# KiCad board RP2040_Akko_M1_Like.kicad_pcb
title: Echo Basic Akko Layout; date: 2025-03-22; rev: 1.0; company: Michael O'Toole; note: Added 10 x 10uF Caps
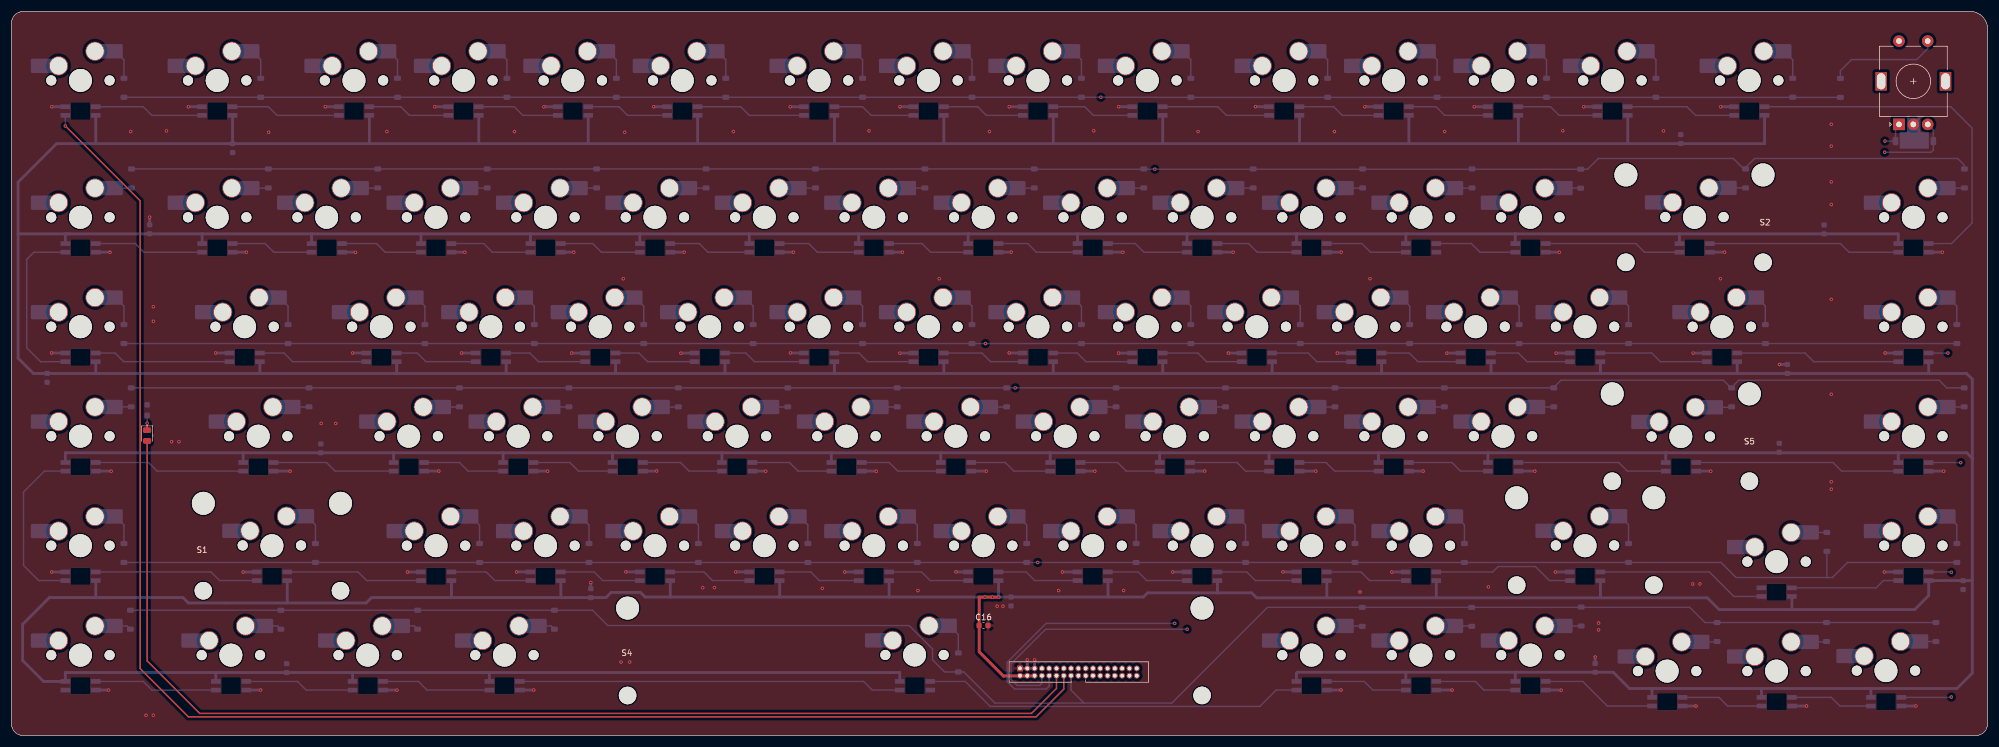
[diagram p0: board, top side]
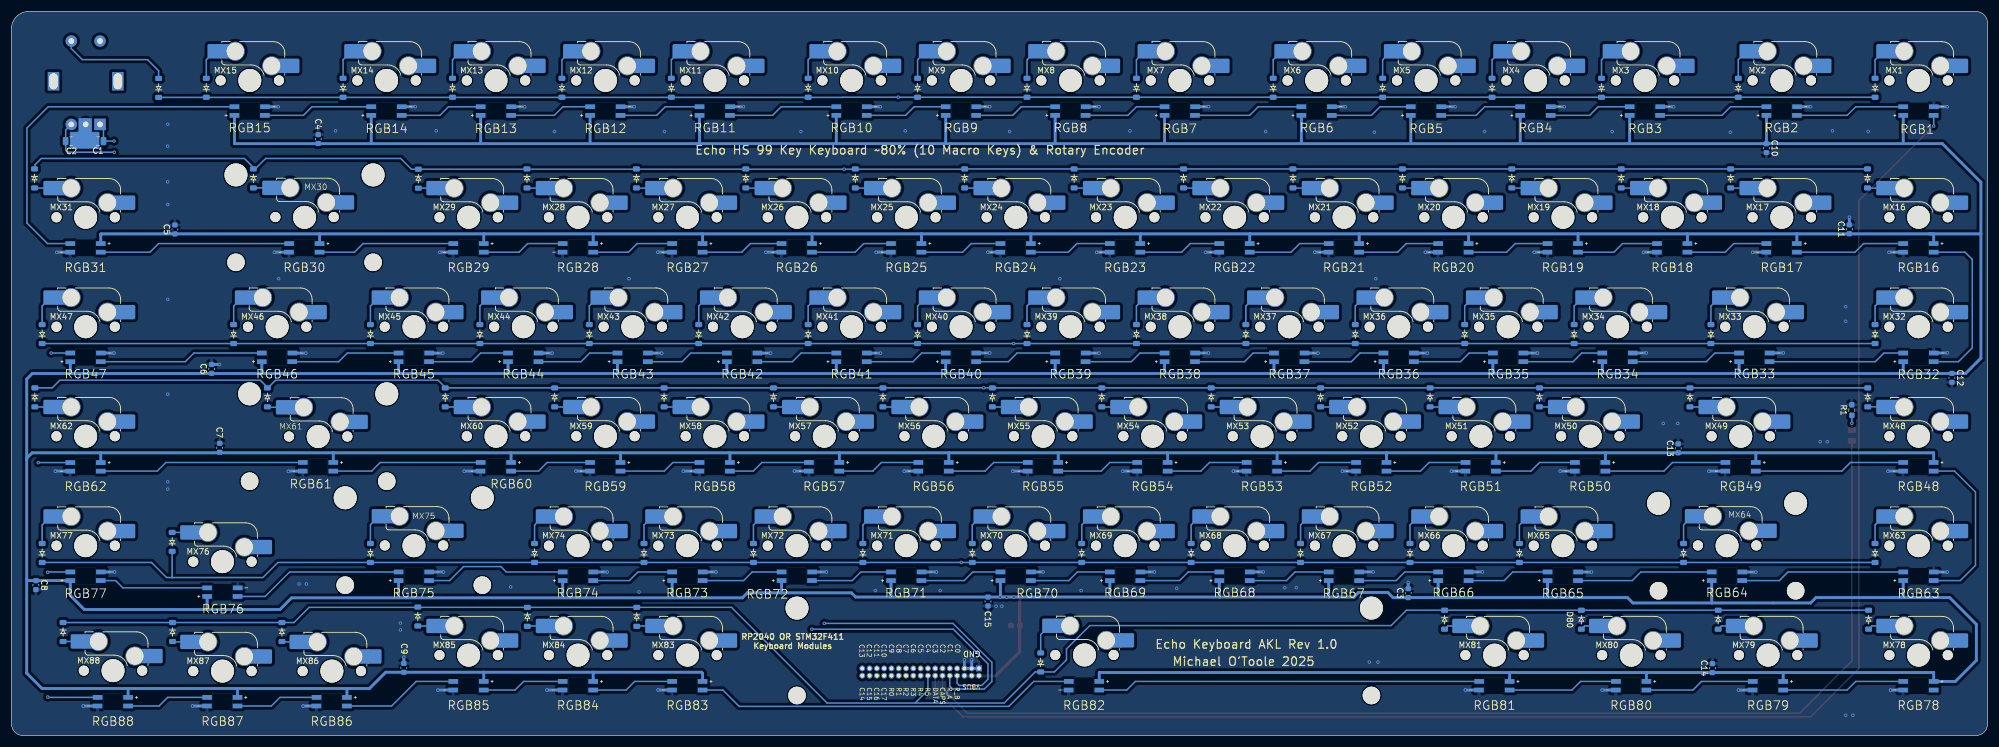
[diagram p1: board, bottom side, seen from below]

Outline 344 x 126 mm; copper layers: Top, In1.Cu, In2.Cu, Bottom. Coordinates in mm from the lower left corner of the outline.
Outline path: 0,124 0,2 arc(0.59,0.59) 2,0 342,0 arc(343.41,0.59) 344,2 344,123 arc(343.12,125.12) 341,126 2,126 arc(0.59,125.41) 0,124
Stack: Top 0.035mm / dielectric 0.1mm FR4 er 4.5 / In1.Cu 0.035mm / dielectric 1.24mm FR4 er 4.5 / In2.Cu 0.035mm / dielectric 0.1mm FR4 er 4.5 / Bottom 0.035mm

## Placement (name value [footprint] x y rotation side)
C1  10n  [C_0805_2012Metric]  328.94 103.44 0 bottom
C2  10n  [C_0805_2012Metric]  333.62 103.44 180 bottom
C3  10u  [C_0603_1608Metric]  100.85 24.78 90 bottom
C4  10u  [C_0603_1608Metric]  290.6 103.8 90 bottom
C5  10u  [C_0603_1608Metric]  315.55 88.08 90 bottom
C6  10u  [C_0603_1608Metric]  309.15 63.8 90 bottom
C7  10u  [C_0603_1608Metric]  307.75 50.08 90 bottom
C8  10u  [C_0603_1608Metric]  339.75 26.18 270 bottom
C9  10u  [C_0603_1608Metric]  275.7 11.78 90 bottom
C10  10u  [C_0603_1608Metric]  38.5 102.23 270 bottom
C11  10u  [C_0603_1608Metric]  24.05 88.1 90 bottom
C12  10u  [C_0603_1608Metric]  6.2 62.25 270 bottom
C13  10u  [C_0603_1608Metric]  53.85 49.98 90 bottom
C14  10u  [C_0603_1608Metric]  47.9 11.73 90 bottom
C15  10u  [C_0603_1608Metric]  174 23.33 270 bottom
C16  100n  [C_0603_1608Metric]  169.23 19.15 0 top
D1  4148  [Diode_SOD-123]  19.58 112.73 90 bottom
D2  4148  [Diode_SOD-123]  43.39 112.73 90 bottom
D3  4148  [Diode_SOD-123]  67.2 112.73 90 bottom
D4  4148  [Diode_SOD-123]  86.25 112.73 90 bottom
D5  4148  [Diode_SOD-123]  105.3 112.73 90 bottom
D6  4148  [Diode_SOD-123]  124.35 112.73 90 bottom
D7  4148  [Diode_SOD-123]  148.16 112.73 90 bottom
D8  4148  [Diode_SOD-123]  167.21 112.73 90 bottom
D9  4148  [Diode_SOD-123]  186.26 112.73 90 bottom
D10  4148  [Diode_SOD-123]  205.31 112.73 90 bottom
D11  4148  [Diode_SOD-123]  229.13 112.73 90 bottom
D12  4148  [Diode_SOD-123]  248.18 112.73 90 bottom
D13  4148  [Diode_SOD-123]  267.23 112.73 90 bottom
D14  4148  [Diode_SOD-123]  286.28 112.73 90 bottom
D15  4148  [Diode_SOD-123]  310.09 112.73 90 bottom
D16  4148  [Diode_SOD-123]  20.9 96.95 270 bottom
D17  4148  [Diode_SOD-123]  44.71 96.95 270 bottom
D18  4148  [Diode_SOD-123]  63.76 96.95 270 bottom
D19  4148  [Diode_SOD-123]  82.81 96.95 270 bottom
D20  4148  [Diode_SOD-123]  101.86 96.95 270 bottom
D21  4148  [Diode_SOD-123]  120.91 96.95 270 bottom
D22  4148  [Diode_SOD-123]  139.96 96.95 270 bottom
D23  4148  [Diode_SOD-123]  159.01 96.95 270 bottom
D24  4148  [Diode_SOD-123]  178.06 96.95 270 bottom
D25  4148  [Diode_SOD-123]  197.11 96.95 270 bottom
D26  4148  [Diode_SOD-123]  216.16 96.95 270 bottom
D27  4148  [Diode_SOD-123]  235.21 96.95 270 bottom
D28  4148  [Diode_SOD-123]  254.26 96.95 270 bottom
D29  4148  [Diode_SOD-123]  273.17 96.9 270 bottom
D30  4148  [Diode_SOD-123]  301.89 96.95 270 bottom
D31  4148  [Diode_SOD-123]  339.99 96.95 270 bottom
D32  4148  [Diode_SOD-123]  19.58 69.86 90 bottom
D33  4148  [Diode_SOD-123]  48.15 69.86 90 bottom
D34  4148  [Diode_SOD-123]  71.96 69.86 90 bottom
D35  4148  [Diode_SOD-123]  91.01 69.86 90 bottom
D36  4148  [Diode_SOD-123]  110.06 69.86 90 bottom
D37  4148  [Diode_SOD-123]  129.11 69.86 90 bottom
D38  4148  [Diode_SOD-123]  148.16 69.86 90 bottom
D39  4148  [Diode_SOD-123]  167.21 69.86 90 bottom
D40  4148  [Diode_SOD-123]  186.26 69.86 90 bottom
D41  4148  [Diode_SOD-123]  205.31 69.86 90 bottom
D42  4148  [Diode_SOD-123]  224.36 69.86 90 bottom
D43  4148  [Diode_SOD-123]  243.41 69.86 90 bottom
D44  4148  [Diode_SOD-123]  262.46 69.86 90 bottom
D45  4148  [Diode_SOD-123]  281.51 69.86 90 bottom
D46  4148  [Diode_SOD-123]  305.33 69.86 90 bottom
D47  4148  [Diode_SOD-123]  338.66 69.86 90 bottom
D48  4148  [Diode_SOD-123]  20.84 58.85 270 bottom
D49  4148  [Diode_SOD-123]  51.8 58.85 270 bottom
D50  4148  [Diode_SOD-123]  77.99 58.85 270 bottom
D51  4148  [Diode_SOD-123]  97.04 58.85 270 bottom
D52  4148  [Diode_SOD-123]  116.09 58.85 270 bottom
D53  4148  [Diode_SOD-123]  135.14 58.85 270 bottom
D54  4148  [Diode_SOD-123]  154.19 58.85 270 bottom
D55  4148  [Diode_SOD-123]  173.24 58.85 270 bottom
D56  4148  [Diode_SOD-123]  192.29 58.85 270 bottom
D57  4148  [Diode_SOD-123]  211.34 58.85 270 bottom
D58  4148  [Diode_SOD-123]  230.39 58.85 270 bottom
D59  4148  [Diode_SOD-123]  249.44 58.85 270 bottom
D60  4148  [Diode_SOD-123]  268.49 58.85 270 bottom
D61  4148  [Diode_SOD-123]  299.45 58.85 270 bottom
D62  4148  [Diode_SOD-123]  339.93 58.85 270 bottom
D63  4148  [Diode_SOD-123]  19.58 31.76 90 bottom
D64  4148  [Diode_SOD-123]  52.91 31.76 90 bottom
D65  4148  [Diode_SOD-123]  81.49 31.76 90 bottom
D66  4148  [Diode_SOD-123]  100.54 31.76 90 bottom
D67  4148  [Diode_SOD-123]  119.59 31.76 90 bottom
D68  4148  [Diode_SOD-123]  138.64 31.76 90 bottom
D69  4148  [Diode_SOD-123]  157.69 31.76 90 bottom
D70  4148  [Diode_SOD-123]  176.74 31.76 90 bottom
D71  4148  [Diode_SOD-123]  195.79 31.76 90 bottom
D72  4148  [Diode_SOD-123]  214.84 31.76 90 bottom
D73  4148  [Diode_SOD-123]  233.89 31.76 90 bottom
D74  4148  [Diode_SOD-123]  252.94 31.76 90 bottom
D75  4148  [Diode_SOD-123]  281.51 31.76 90 bottom
D76  4148  [Diode_SOD-123]  316.03 33.7 90 bottom
D77  4148  [Diode_SOD-123]  338.66 31.76 90 bottom
D78  4148  [Diode_SOD-123]  20.7 20.15 270 bottom
D79  4148  [Diode_SOD-123]  46.89 20.15 270 bottom
D80  4148  [Diode_SOD-123]  70.71 20.15 270 bottom
D81  4148  [Diode_SOD-123]  94.52 20.15 270 bottom
D82  4148  [Diode_SOD-123]  164.83 12.71 90 bottom
D83  4148  [Diode_SOD-123]  235.15 20.65 270 bottom
D84  4148  [Diode_SOD-123]  254.2 20.65 270 bottom
D85  4148  [Diode_SOD-123]  273.26 20.71 270 bottom
D86  4148  [Diode_SOD-123]  296.92 18.01 270 bottom
D87  4148  [Diode_SOD-123]  315.97 18.01 270 bottom
D88  4148  [Diode_SOD-123]  335.02 18.01 270 bottom
D89  4148  [Diode_SOD-123]  318.39 112.7 90 bottom
J1  Conn_02x17_Odd_Even  [IDC_2X17_1.27MM]  184.46 11.05 0 bottom
LED1  CAPS  [LED_0805_2012Metric]  23.62 52.2 270 top
MX1  MX_SW_HS  [SW_MX_HS_CPG151101S11_1u]  12 114 180 bottom
MX2  MX_SW_HS  [SW_MX_HS_CPG151101S11_1u]  35.81 114 180 bottom
MX3  MX_SW_HS  [SW_MX_HS_CPG151101S11_1u]  59.63 114 180 bottom
MX4  MX_SW_HS  [SW_MX_HS_CPG151101S11_1u]  78.68 114 180 bottom
MX5  MX_SW_HS  [SW_MX_HS_CPG151101S11_1u]  97.73 114 180 bottom
MX6  MX_SW_HS  [SW_MX_HS_CPG151101S11_1u]  116.78 114 180 bottom
MX7  MX_SW_HS  [SW_MX_HS_CPG151101S11_1u]  140.59 114 180 bottom
MX8  MX_SW_HS  [SW_MX_HS_CPG151101S11_1u]  159.64 114 180 bottom
MX9  MX_SW_HS  [SW_MX_HS_CPG151101S11_1u]  178.69 114 180 bottom
MX10  MX_SW_HS  [SW_MX_HS_CPG151101S11_1u]  197.74 114 180 bottom
MX11  MX_SW_HS  [SW_MX_HS_CPG151101S11_1u]  221.55 114 180 bottom
MX12  MX_SW_HS  [SW_MX_HS_CPG151101S11_1u]  240.6 114 180 bottom
MX13  MX_SW_HS  [SW_MX_HS_CPG151101S11_1u]  259.65 114 180 bottom
MX14  MX_SW_HS  [SW_MX_HS_CPG151101S11_1u]  278.7 114 180 bottom
MX15  MX_SW_HS  [SW_MX_HS_CPG151101S11_1u]  302.51 114 180 bottom
MX16  MX_SW_HS  [SW_MX_HS_CPG151101S11_1u]  12 90.19 180 bottom
MX17  MX_SW_HS  [SW_MX_HS_CPG151101S11_1u]  35.81 90.19 180 bottom
MX18  MX_SW_HS  [SW_MX_HS_CPG151101S11_1u]  54.86 90.19 180 bottom
MX19  MX_SW_HS  [SW_MX_HS_CPG151101S11_1u]  73.91 90.19 180 bottom
MX20  MX_SW_HS  [SW_MX_HS_CPG151101S11_1u]  92.96 90.19 180 bottom
MX21  MX_SW_HS  [SW_MX_HS_CPG151101S11_1u]  112.01 90.19 180 bottom
MX22  MX_SW_HS  [SW_MX_HS_CPG151101S11_1u]  131.06 90.19 180 bottom
MX23  MX_SW_HS  [SW_MX_HS_CPG151101S11_1u]  150.11 90.19 180 bottom
MX24  MX_SW_HS  [SW_MX_HS_CPG151101S11_1u]  169.16 90.19 180 bottom
MX25  MX_SW_HS  [SW_MX_HS_CPG151101S11_1u]  188.21 90.19 180 bottom
MX26  MX_SW_HS  [SW_MX_HS_CPG151101S11_1u]  207.26 90.19 180 bottom
MX27  MX_SW_HS  [SW_MX_HS_CPG151101S11_1u]  226.31 90.19 180 bottom
MX28  MX_SW_HS  [SW_MX_HS_CPG151101S11_1u]  245.36 90.19 180 bottom
MX29  MX_SW_HS  [SW_MX_HS_CPG151101S11_1u]  264.41 90.19 180 bottom
MX30  MX_SW_HS  [SW_MX_HS_CPG151101S11_2u]  292.99 90.19 180 bottom
MX31  MX_SW_HS  [SW_MX_HS_CPG151101S11_1u]  331.09 90.19 180 bottom
MX32  MX_SW_HS  [SW_MX_HS_CPG151101S11_1u]  12 71.14 180 bottom
MX33  MX_SW_HS  [SW_MX_HS_CPG151101S11_1.5u]  40.58 71.14 180 bottom
MX34  MX_SW_HS  [SW_MX_HS_CPG151101S11_1u]  64.39 71.14 180 bottom
MX35  MX_SW_HS  [SW_MX_HS_CPG151101S11_1u]  83.44 71.14 180 bottom
MX36  MX_SW_HS  [SW_MX_HS_CPG151101S11_1u]  102.49 71.14 180 bottom
MX37  MX_SW_HS  [SW_MX_HS_CPG151101S11_1u]  121.54 71.14 180 bottom
MX38  MX_SW_HS  [SW_MX_HS_CPG151101S11_1u]  140.59 71.14 180 bottom
MX39  MX_SW_HS  [SW_MX_HS_CPG151101S11_1u]  159.64 71.14 180 bottom
MX40  MX_SW_HS  [SW_MX_HS_CPG151101S11_1u]  178.69 71.14 180 bottom
MX41  MX_SW_HS  [SW_MX_HS_CPG151101S11_1u]  197.74 71.14 180 bottom
MX42  MX_SW_HS  [SW_MX_HS_CPG151101S11_1u]  216.79 71.14 180 bottom
MX43  MX_SW_HS  [SW_MX_HS_CPG151101S11_1u]  235.84 71.14 180 bottom
MX44  MX_SW_HS  [SW_MX_HS_CPG151101S11_1u]  254.89 71.14 180 bottom
MX45  MX_SW_HS  [SW_MX_HS_CPG151101S11_1u]  273.94 71.14 180 bottom
MX46  MX_SW_HS  [SW_MX_HS_CPG151101S11_1.5u]  297.75 71.14 180 bottom
MX47  MX_SW_HS  [SW_MX_HS_CPG151101S11_1u]  331.09 71.14 180 bottom
MX48  MX_SW_HS  [SW_MX_HS_CPG151101S11_1u]  12 52.09 180 bottom
MX49  MX_SW_HS  [SW_MX_HS_CPG151101S11_1.75u]  42.96 52.09 180 bottom
MX50  MX_SW_HS  [SW_MX_HS_CPG151101S11_1u]  69.15 52.09 180 bottom
MX51  MX_SW_HS  [SW_MX_HS_CPG151101S11_1u]  88.2 52.09 180 bottom
MX52  MX_SW_HS  [SW_MX_HS_CPG151101S11_1u]  107.25 52.09 180 bottom
MX53  MX_SW_HS  [SW_MX_HS_CPG151101S11_1.5u]  126.3 52.09 180 bottom
MX54  MX_SW_HS  [SW_MX_HS_CPG151101S11_1u]  145.35 52.09 180 bottom
MX55  MX_SW_HS  [SW_MX_HS_CPG151101S11_1u]  164.4 52.09 180 bottom
MX56  MX_SW_HS  [SW_MX_HS_CPG151101S11_1u]  183.45 52.09 180 bottom
MX57  MX_SW_HS  [SW_MX_HS_CPG151101S11_1u]  202.5 52.09 180 bottom
MX58  MX_SW_HS  [SW_MX_HS_CPG151101S11_1u]  221.55 52.09 180 bottom
MX59  MX_SW_HS  [SW_MX_HS_CPG151101S11_1u]  240.6 52.09 180 bottom
MX60  MX_SW_HS  [SW_MX_HS_CPG151101S11_1u]  259.65 52.09 180 bottom
MX61  MX_SW_HS  [SW_MX_HS_2.25U]  290.61 52.09 180 bottom
MX62  MX_SW_HS  [SW_MX_HS_CPG151101S11_1u]  331.09 52.09 180 bottom
MX63  MX_SW_HS  [SW_MX_HS_CPG151101S11_1u]  12 33.04 180 bottom
MX64  MX_SW_HS  [SW_MX_HS_CPG151101S11_2u]  45.34 33.04 180 bottom
MX65  MX_SW_HS  [SW_MX_HS_CPG151101S11_1u]  73.91 33.04 180 bottom
MX66  MX_SW_HS  [SW_MX_HS_CPG151101S11_1u]  92.96 33.04 180 bottom
MX67  MX_SW_HS  [SW_MX_HS_CPG151101S11_1u]  112.01 33.04 180 bottom
MX68  MX_SW_HS  [SW_MX_HS_CPG151101S11_1u]  131.06 33.04 180 bottom
MX69  MX_SW_HS  [SW_MX_HS_CPG151101S11_1u]  150.11 33.04 180 bottom
MX70  MX_SW_HS  [SW_MX_HS_CPG151101S11_1u]  169.16 33.04 180 bottom
MX71  MX_SW_HS  [SW_MX_HS_CPG151101S11_1u]  188.21 33.04 180 bottom
MX72  MX_SW_HS  [SW_MX_HS_CPG151101S11_1u]  207.26 33.04 180 bottom
MX73  MX_SW_HS  [SW_MX_HS_CPG151101S11_1u]  226.31 33.04 180 bottom
MX74  MX_SW_HS  [SW_MX_HS_CPG151101S11_1u]  245.36 33.04 180 bottom
MX75  MX_SW_HS  [SW_MX_HS_CPG151101S11_2u]  273.94 33.04 180 bottom
MX76  MX_SW_HS  [SW_MX_HS_CPG151101S11_1u]  307.28 30.26 180 bottom
MX77  MX_SW_HS  [SW_MX_HS_CPG151101S11_1u]  331.09 33.04 180 bottom
MX78  MX_SW_HS  [SW_MX_HS_CPG151101S11_1u]  12 13.99 180 bottom
MX79  MX_SW_HS  [SW_MX_HS_CPG151101S11_1.25u]  38.19 13.99 180 bottom
MX80  MX_SW_HS  [SW_MX_HS_CPG151101S11_1.25u]  62.01 13.99 180 bottom
MX81  MX_SW_HS  [SW_MX_HS_CPG151101S11_1.25u]  85.82 13.99 180 bottom
MX82  MX_SW_HS  [SW_MX_HS_6.25U]  157.26 13.99 180 bottom
MX83  MX_SW_HS  [SW_MX_HS_CPG151101S11_1u]  226.31 13.99 180 bottom
MX84  MX_SW_HS  [SW_MX_HS_CPG151101S11_1u]  245.36 13.99 180 bottom
MX85  MX_SW_HS  [SW_MX_HS_CPG151101S11_1u]  264.41 13.99 180 bottom
MX86  MX_SW_HS  [SW_MX_HS_CPG151101S11_1u]  288.23 11.21 180 bottom
MX87  MX_SW_HS  [SW_MX_HS_CPG151101S11_1u]  307.28 11.21 180 bottom
MX88  MX_SW_HS  [SW_MX_HS_CPG151101S11_1u]  326.33 11.29 180 bottom
R1  1K  [R_0603_1608Metric_Pad0.98x0.95mm_HandSolder]  23.62 56.64 90 bottom
RGB1  -  [SK6812-E]  12.03 108.68 0 bottom
RGB2  -  [SK6812-E]  35.84 108.68 0 bottom
RGB3  -  [SK6812-E]  59.65 108.68 0 bottom
RGB4  -  [SK6812-E]  78.7 108.68 0 bottom
RGB5  -  [SK6812-E]  97.75 108.68 0 bottom
RGB6  -  [SK6812-E]  116.8 108.68 0 bottom
RGB7  -  [SK6812-E]  140.61 108.68 0 bottom
RGB8  -  [SK6812-E]  159.66 108.68 0 bottom
RGB9  -  [SK6812-E]  178.71 108.68 0 bottom
RGB10  -  [SK6812-E]  197.76 108.68 0 bottom
RGB11  -  [SK6812-E]  221.58 108.68 0 bottom
RGB12  -  [SK6812-E]  240.63 108.68 0 bottom
RGB13  -  [SK6812-E]  259.68 108.68 0 bottom
RGB14  -  [SK6812-E]  278.73 108.68 0 bottom
RGB15  -  [SK6812-E]  302.54 108.68 0 bottom
RGB16  -  [SK6812-E]  12.03 84.86 180 bottom
RGB17  -  [SK6812-E]  35.84 84.86 180 bottom
RGB18  -  [SK6812-E]  54.89 84.86 180 bottom
RGB19  -  [SK6812-E]  73.94 84.86 180 bottom
RGB20  -  [SK6812-E]  92.99 84.86 180 bottom
RGB21  -  [SK6812-E]  112.04 84.86 180 bottom
RGB22  -  [SK6812-E]  131.09 84.86 180 bottom
RGB23  -  [SK6812-E]  150.14 84.86 180 bottom
RGB24  -  [SK6812-E]  169.19 84.86 180 bottom
RGB25  -  [SK6812-E]  188.24 84.86 180 bottom
RGB26  -  [SK6812-E]  207.29 84.86 180 bottom
RGB27  -  [SK6812-E]  226.34 84.86 180 bottom
RGB28  -  [SK6812-E]  245.39 84.86 180 bottom
RGB29  -  [SK6812-E]  264.44 84.86 180 bottom
RGB30  -  [SK6812-E]  293.01 84.86 180 bottom
RGB31  -  [SK6812-E]  331.11 84.86 180 bottom
RGB32  -  [SK6812-E]  12.03 65.81 0 bottom
RGB33  -  [SK6812-E]  40.6 65.81 0 bottom
RGB34  -  [SK6812-E]  64.41 65.81 0 bottom
RGB35  -  [SK6812-E]  83.46 65.81 0 bottom
RGB36  -  [SK6812-E]  102.51 65.81 0 bottom
RGB37  -  [SK6812-E]  121.56 65.81 0 bottom
RGB38  -  [SK6812-E]  140.61 65.81 0 bottom
RGB39  -  [SK6812-E]  159.66 65.81 0 bottom
RGB40  -  [SK6812-E]  178.71 65.81 0 bottom
RGB41  -  [SK6812-E]  197.76 65.81 0 bottom
RGB42  -  [SK6812-E]  216.81 65.81 0 bottom
RGB43  -  [SK6812-E]  235.86 65.81 0 bottom
RGB44  -  [SK6812-E]  254.91 65.81 0 bottom
RGB45  -  [SK6812-E]  273.96 65.81 0 bottom
RGB46  -  [SK6812-E]  297.78 65.81 0 bottom
RGB47  -  [SK6812-E]  331.11 65.81 0 bottom
RGB48  -  [SK6812-E]  12.03 46.76 180 bottom
RGB49  -  [SK6812-E]  42.98 46.76 180 bottom
RGB50  -  [SK6812-E]  69.18 46.76 180 bottom
RGB51  -  [SK6812-E]  88.23 46.76 180 bottom
RGB52  -  [SK6812-E]  107.28 46.76 180 bottom
RGB53  -  [SK6812-E]  126.33 46.76 180 bottom
RGB54  -  [SK6812-E]  145.38 46.76 180 bottom
RGB55  -  [SK6812-E]  164.43 46.76 180 bottom
RGB56  -  [SK6812-E]  183.48 46.76 180 bottom
RGB57  -  [SK6812-E]  202.53 46.76 180 bottom
RGB58  -  [SK6812-E]  221.58 46.76 180 bottom
RGB59  -  [SK6812-E]  240.63 46.76 180 bottom
RGB60  -  [SK6812-E]  259.68 46.76 180 bottom
RGB61  -  [SK6812-E]  290.63 46.76 180 bottom
RGB62  -  [SK6812-E]  331.11 46.75 180 bottom
RGB63  -  [SK6812-E]  12.03 27.71 0 bottom
RGB64  -  [SK6812-E]  45.36 27.71 0 bottom
RGB65  -  [SK6812-E]  73.94 27.71 0 bottom
RGB66  -  [SK6812-E]  92.99 27.71 0 bottom
RGB67  -  [SK6812-E]  112.04 27.71 0 bottom
RGB68  -  [SK6812-E]  131.09 27.71 0 bottom
RGB69  -  [SK6812-E]  150.14 27.71 0 bottom
RGB70  -  [SK6812-E]  169.19 27.71 0 bottom
RGB71  -  [SK6812-E]  188.24 27.71 0 bottom
RGB72  -  [SK6812-E]  207.29 27.71 0 bottom
RGB73  -  [SK6812-E]  226.34 27.71 0 bottom
RGB74  -  [SK6812-E]  245.39 27.71 0 bottom
RGB75  -  [SK6812-E]  273.96 27.71 0 bottom
RGB76  -  [SK6812-E]  307.29 24.95 0 bottom
RGB77  -  [SK6812-E]  331.11 27.71 0 bottom
RGB78  -  [SK6812-E]  12.03 8.66 180 bottom
RGB79  -  [SK6812-E]  38.22 8.66 180 bottom
RGB80  -  [SK6812-E]  62.03 8.66 180 bottom
RGB81  -  [SK6812-E]  85.84 8.66 180 bottom
RGB82  -  [SK6812-E]  157.28 8.66 180 bottom
RGB83  -  [SK6812-E]  226.34 8.66 180 bottom
RGB84  -  [SK6812-E]  245.39 8.66 180 bottom
RGB85  -  [SK6812-E]  264.44 8.66 180 bottom
RGB86  -  [SK6812-E]  288.25 5.88 180 bottom
RGB87  -  [SK6812-E]  307.3 5.88 180 bottom
RGB88  -  [SK6812-E]  326.35 5.88 180 bottom
ROTARY1  Volume/RGB  [RotaryEncoder_Alps_EC11E-Switch_Vertical_H20mm]  328.59 106.35 90 top
S1  MX_stab  [Stabilizer_MX_2.00u]  45.34 32.18 180 top
S2  MX_stab  [Stabilizer_MX_2.00u]  292.99 89.33 180 top
S3  MX_stab  [Stabilizer_MX_2.00u]  273.97 33.15 180 top
S4  MX_stab  [Stabilizer_MX_6.25u]  157.26 13.95 180 top
S5  MX_stab  [Stabilizer_MX_2.00u]  290.61 51.23 180 top

## Library data of the parts
C1-C16 = -: Description: Unpolarized capacitor, small symbol; ki_fp_filters: C_*
D1-D89 = -: Description: Diode, small symbol; Sim.Device: D; Sim.Pins: 1=K 2=A; ki_fp_filters: TO-???* *_Diode_* *SingleDiode* D_*
J1 = -: Description: Generic connector, double row, 02x17, odd/even pin numbering scheme (row 1 odd numbers, row 2 even numbers), script generated (kicad-library-utils/schlib/autogen/connector/); LCSC: C5147222; ki_fp_filters: Connector*:*_2x??_*
LED1 = -: Description: Light emitting diode, small symbol, filled shape; ki_fp_filters: LED* LED_SMD:* LED_THT:*
MX1-MX77 MX79-MX88 = -: Description: Push button switch, normally open, two pins, 45° tilted, Kailh CPG151101S11 for Cherry MX style switches
MX78 = -: Description: Push button switch, normally open, two pins, 45° tilted, Gateron KS-2P02B01-01 for Cherry MX style switches
R1 = -: Description: Resistor, small symbol; ki_fp_filters: R_*
RGB1 = -: Datasheet: C5149201; Description: RGB LED with integrated controllerBackMount
RGB2-RGB88 = -: Datasheet: C5149201; Description: RGB LED with integrated controller
ROTARY1 = -: Description: Rotary encoder, dual channel, incremental quadrate outputs, with switch; ki_fp_filters: RotaryEncoder*Switch*
S1-S5 = -: Description: Cherry MX-style stabilizer

## Footprints (pads in the part's own frame, mm; a bottom-side part is the same pattern mirrored in y, then rotated)
C_0603_1608Metric
  rrect 0.9x0.95 smd: 1(-0.775,0) 2(0.775,0)
C_0805_2012Metric
  rrect 1x1.45 smd: 1(-0.95,0) 2(0.95,0)
Diode_SOD-123
  rrect 0.9x1.2 smd: 1(-1.65,0) 2(1.65,0)
IDC_2X17_1.27MM
  rect 1x1 hole 0.65: 1(-8.89,-0.635)
  oval 1x1 hole 0.65: 2(-8.89,0.635) 3(-7.62,-0.635) 4(-7.62,0.635) 5(-6.35,-0.635) 6(-6.35,0.635) 7(-5.08,-0.635) 8(-5.08,0.635) 9(-3.81,-0.635) 10(-3.81,0.635) 11(-2.54,-0.635) 12(-2.54,0.635) 13(-1.27,-0.635) 14(-1.27,0.635) 15(0,-0.635) 16(0,0.635) 17(1.27,-0.635) 18(1.27,0.635) 19(2.54,-0.635) 20(2.54,0.635) 21(3.81,-0.635) 22(3.81,0.635) 23(5.08,-0.635) 24(5.08,0.635) 25(6.35,-0.635) 26(6.35,0.635) 27(7.62,-0.635) 28(7.62,0.635) 29(8.89,-0.635) 30(8.89,0.635) 31(10.16,-0.635) 32(10.16,0.635) 33(11.43,-0.635) 34(11.43,0.635)
LED_0805_2012Metric
  rrect 0.975x1.4 smd: 1(-0.938,0) 2(0.938,0)
R_0603_1608Metric_Pad0.98x0.95mm_HandSolder
  rrect 0.975x0.95 smd: 1(-0.912,0) 2(0.912,0)
RotaryEncoder_Alps_EC11E-Switch_Vertical_H20mm
  rect 3.2x2 hole 2.8x1.5 unplated: (7.5,3.1) (7.5,-8.1)
  rect 2x2 hole 1: A(0,0)
  round 2 hole 1: B(0,-5) C(0,-2.5) S1(14.5,-5) S2(14.5,0)
SK6812-E
  rect 1.675x0.82 smd: 1(2.65,0.75) 2(2.65,-0.75) 3(-2.675,-0.75) 4(-2.65,0.75)
Stabilizer_MX_2.00u
  round 3.048 hole 3.048 unplated: (-11.938,6.985) (11.938,6.985)
  round 3.988 hole 3.988 unplated: (-11.938,-8.225) (11.938,-8.225)
Stabilizer_MX_6.25u
  round 3.048 hole 3.048 unplated: (-50,6.985) (50,6.985)
  round 3.988 hole 3.988 unplated: (-50,-8.225) (50,-8.225)
SW_MX_HS_2.25U
  round 1.75 hole 1.75 unplated: (-5.08,-0.05) (5.08,-0.05)
  round 3.988 hole 3.988 unplated: (0,-0.05)
  round 3.3 hole 3: 1(3.81,2.49) 2(-2.54,5.03)
  rect 1.65x2.5 smd: 1(5.635,2.49) 2(-4.34,5.03)
  rrect 2.55x2.5 smd: 1(7.36,2.49) 2(-6.09,5.03)
SW_MX_HS_6.25U
  round 1.75 hole 1.75 unplated: (-5.031,0.03) (5.129,0.03)
  round 3.988 hole 3.988 unplated: (0.049,0.03)
  round 3.3 hole 3: 1(3.859,2.57) 2(-2.491,5.11)
  rect 1.65x2.5 smd: 1(5.684,2.57) 2(-4.291,5.11)
  rrect 2.55x2.5 smd: 1(7.409,2.57) 2(-6.041,5.11)
SW_MX_HS_CPG151101S11_1.5u
  round 1.75 hole 1.75 unplated: (-5.08,0) (5.08,0)
  round 3.988 hole 3.988 unplated: (0,0)
  round 3.3 hole 3: 1(3.81,2.54) 2(-2.54,5.08)
  rect 1.65x2.5 smd: 1(5.635,2.54) 2(-4.34,5.08)
  rrect 2.55x2.5 smd: 1(7.36,2.54) 2(-6.09,5.08)
SW_MX_HS_CPG151101S11_1.25u
  round 1.75 hole 1.75 unplated: (-5.08,0) (5.08,0)
  round 3.988 hole 3.988 unplated: (0,0)
  round 3.3 hole 3: 1(3.81,2.54) 2(-2.54,5.08)
  rect 1.65x2.5 smd: 1(5.635,2.54) 2(-4.34,5.08)
  rrect 2.55x2.5 smd: 1(7.36,2.54) 2(-6.09,5.08)
SW_MX_HS_CPG151101S11_1.75u
  round 1.75 hole 1.75 unplated: (-5.08,0) (5.08,0)
  round 3.988 hole 3.988 unplated: (0,0)
  round 3.3 hole 3: 1(3.81,2.54) 2(-2.54,5.08)
  rect 1.65x2.5 smd: 1(5.635,2.54) 2(-4.34,5.08)
  rrect 2.55x2.5 smd: 1(7.36,2.54) 2(-6.09,5.08)
SW_MX_HS_CPG151101S11_1u
  round 1.75 hole 1.75 unplated: (-5.08,0) (5.08,0)
  round 3.988 hole 3.988 unplated: (0,0)
  round 3.3 hole 3: 1(3.81,2.54) 2(-2.54,5.08)
  rect 1.65x2.5 smd: 1(5.635,2.54) 2(-4.34,5.08)
  rrect 2.55x2.5 smd: 1(7.36,2.54) 2(-6.09,5.08)
SW_MX_HS_CPG151101S11_2u
  round 1.75 hole 1.75 unplated: (-5.07,0.04) (5.09,0.04)
  round 3.988 hole 3.988 unplated: (0,-0.01)
  round 3.3 hole 3: 1(3.82,2.58) 2(-2.53,5.12)
  rect 1.65x2.5 smd: 1(5.645,2.58) 2(-4.33,5.12)
  rrect 2.55x2.5 smd: 1(7.37,2.58) 2(-6.08,5.12)
